# Altium PCB master.PcbDoc (part 9 of 10)
Units mm, origin at the board's own origin, x right, y up, seen from the top; angles counter-clockwise.
Board outline 160 x 120 mm, 6 copper layers (Top Signal, Top GND, Inner PWR, Inner Signal, Bottom GND, Bottom Signal), stack 1.601 mm thick; 526 components, 435 nets, 2167 pads, 1617 vias.
Unrouted connection lines stored in the file: 3.
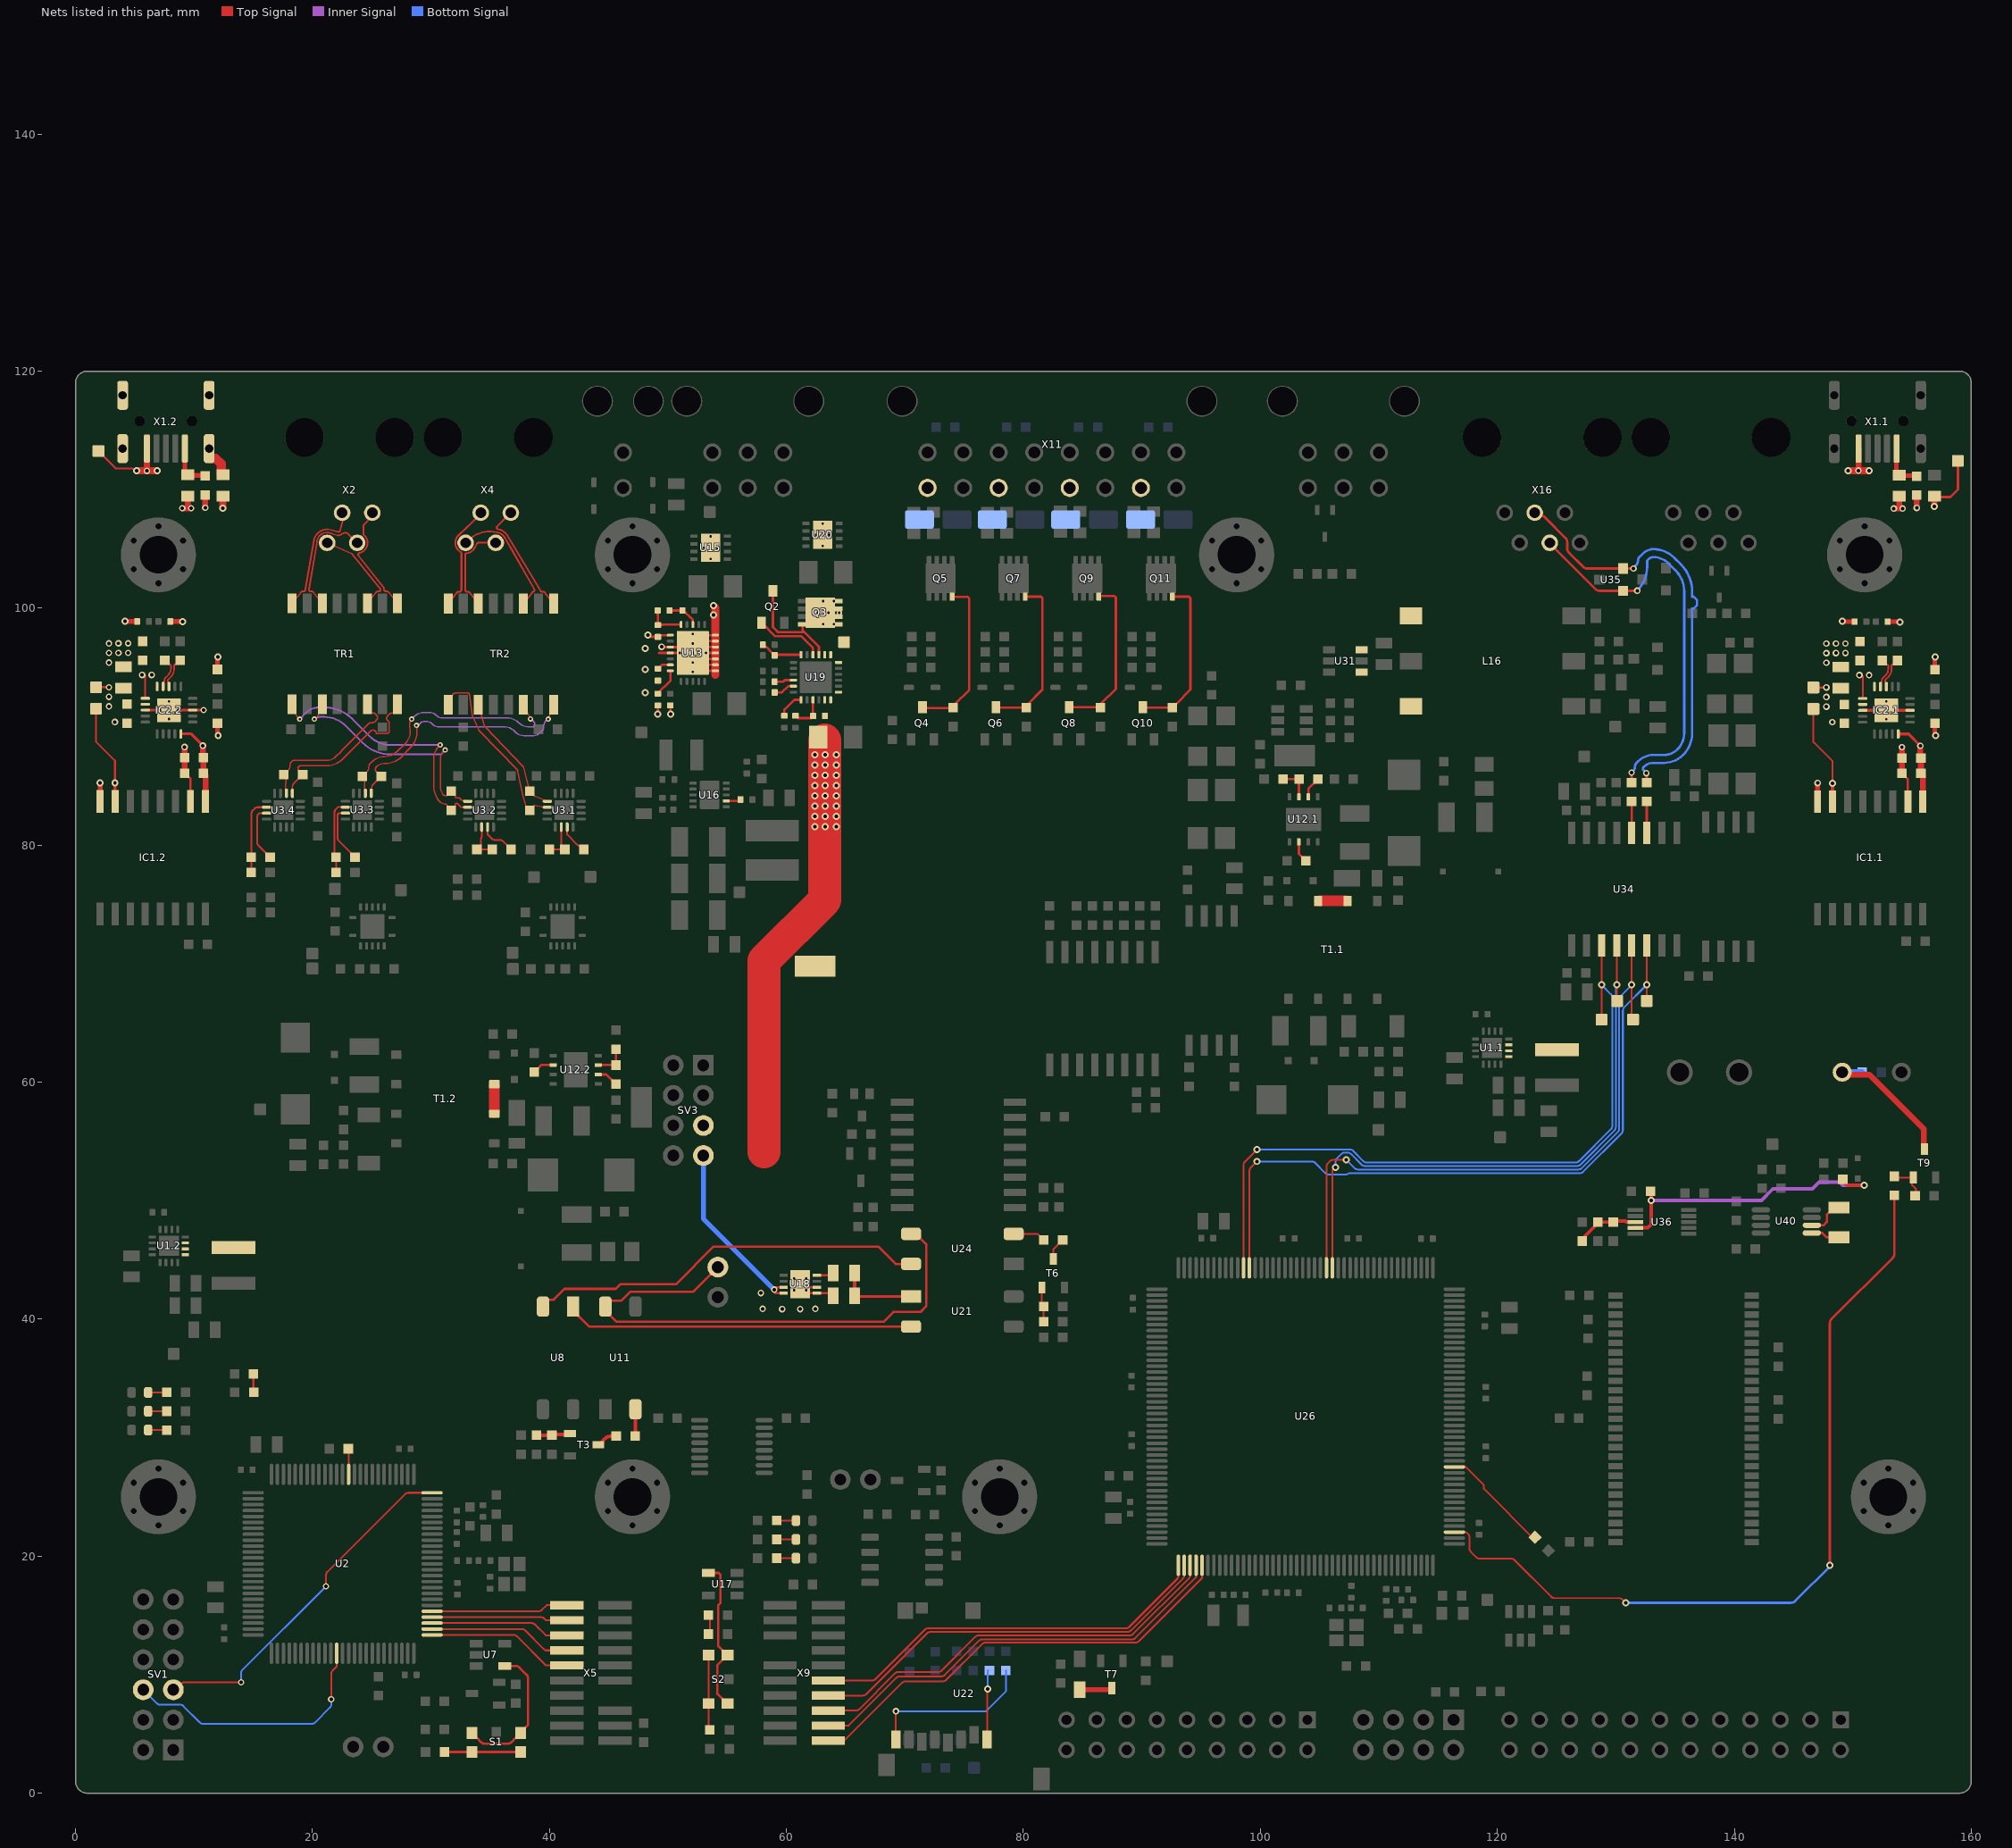
[diagram p13: the nets of this part, all layers, seen from the top]

## Via types
v1: diameter 0.6, hole 0.3, Top Signal to Bottom Signal, 1012 vias
v2: diameter 0.55, hole 0.3, Top Signal to Bottom Signal, 235 vias
v3: diameter 0.45, hole 0.2, Top Signal to Bottom Signal, 178 vias
v4: diameter 0.55, hole 0.3, Top Signal to Bottom Signal, tented both sides, 112 vias
v5: diameter 0.5, hole 0.2, Top Signal to Bottom Signal, 50 vias
v6: diameter 0.45, hole 0.2, Top Signal to Bottom Signal, tented top, 15 vias
v7: diameter 0.5, hole 0.3, Top Signal to Bottom Signal, tented both sides, 12 vias
v8: diameter 0.6, hole 0.3, Top Signal to Bottom Signal, tented both sides, 2 vias
v9: diameter 0.5, hole 0.3, Top Signal to Bottom Signal, 1 vias

## Nets (pads, with @x,y where several pads share a name; then routed paths per layer and width w, separated by ;. In a path a pad name is that pad's centre, name@x,y a point inside that pad or via, vN(x,y) a via of type N, cw(c..) or ccw(c..) an arc to the next point about the centre after c; other vN are vias at no path point) (continued)
NetL2.2_2: L2.2.2 X1.2.6 X1.2.7 X1.2.8 X1.2.9 | length 3
  Top Signal w0.8: X1.2.6@11.275,113.464 11.275,112.689 11.325,112.639 11.818,112.639 12.286,112.17 12.286,111.3 12.336,111.25 L2.2.2@12.436,111.25
NetL12_2: L12.2 T7.3 | length 2.8
  Top Signal w0.4: L12.2@84.74,8.745 87.368,8.745 87.468,8.845 T7.3@87.468,8.862
NetL15_1_1: L15_1.1 U1.1.1 U1.1.2 U1.1.3
NetL15_2_1: L15_2.1 U1.2.1 U1.2.2 U1.2.3
NetL16_1: L16.1 U31.3
NetL16_3: L16.3 U31.1
NetLED1_1: LED1.1 R2.2 | length 1.5
  Top Signal w0.152: LED1.1@6.176,30.643 R2.2@7.64,30.643
NetLED2_1: LED2.1 R3.2 | length 1.5
  Top Signal w0.152: LED2.1@6.176,32.23 R3.2@7.64,32.23
NetLED3_1: LED3.1 R4.1 | length 1.5
  Top Signal w0.152: LED3.1@6.176,33.818 R4.1@7.64,33.818
NetLED4_1: LED4.1 R60.2 | length 1.5
  Top Signal w0.152: R60.2@59.222,19.829 LED4.1@60.75,19.829
NetLED5_1: LED5.1 R61.2 | length 1.5
  Top Signal w0.152: R61.2@59.222,21.417 LED5.1@60.75,21.417
NetLED6_1: LED6.1 R62.2 | length 1.5
  Top Signal w0.152: R62.2@59.222,23.004 LED6.1@60.75,23.004
NetLS1_2: LS1.2 R137.1 T9.D | length 12.3
  Top Signal w0.5: LS1.2@149.105,60.837 149.315,60.626 151.407,60.626 156.005,56.028 156.005,54.605 156.055,54.555 T9.D@156.055,54.355
  Bottom Signal w0.5: LS1.2@149.105,60.837 R137.1@150.805,60.837
NetQ2_1: Q2.1 U19.4 | length 5.8
  Top Signal w0.2: Q2.1@57.907,98.766 59.051,97.622 61.262,97.622 62.237,96.647 U19.4@62.237,96.066
NetQ2_3: Q2.3 Q3.4 U19.3 | length 9
  Top Signal w0.2: Q2.3@58.857,101.466 58.857,98.392 59.267,97.982 61.469,97.982 ; Q3.4@61.367,98.639 61.367,98.109 61.482,97.995 62.737,96.739 U19.3@62.737,96.066
NetQ3_5: Q3.5 Q3.6 Q3.7 Q3.8 Q3.9 TPeRV1.1 U19.1 U19.2 U19.24
  other v3: 63.102,98.639 62.649,99.614 63.554,99.614 63.102,100.589
  other v6: 64.007,98.639 64.459,99.614 64.007,100.589
NetQ4_3: Q4.3 Q5.4 R79.2 | length 14
  Top Signal w0.2: Q4.3@71.405,91.612 71.443,91.574 73.905,91.574 74.205,91.874 75.43,93.099 75.43,100.825 75.313,100.942 Q5.4@73.905,100.942
NetQ6_3: Q6.3 Q7.4 R83.2 | length 14
  Top Signal w0.2: Q6.3@77.577,91.638 77.615,91.6 80.077,91.6 80.377,91.9 81.602,93.125 81.602,100.851 81.485,100.968 Q7.4@80.077,100.968
NetQ8_3: Q8.3 Q9.4 R93.2 | length 14
  Top Signal w0.2: Q8.3@83.772,91.686 83.809,91.649 86.272,91.649 86.572,91.949 87.797,93.174 87.797,100.899 87.68,101.017 Q9.4@86.272,101.017
NetQ10_3: Q10.3 Q11.4 R101.2 | length 14
  Top Signal w0.2: Q10.3@90.075,91.638 90.113,91.6 R101.2@92.575,91.6 92.875,91.9 94.1,93.125 94.1,100.851 93.983,100.968 Q11.4@92.575,100.968
NetR9_1: R9.1 R10.2 | length 1.6
  Top Signal w0.203: R9.1@15.017,35.382 15.017,33.907 15.036,33.839 ccw(c15.525,33.978) R10.2@15.043,33.818
NetR11.1_2: R11.1.2 R12.1.1 U3.1.14 | length 3.3
  Top Signal w0.152: R11.1.2@40,79.643 R12.1.1@41.3,79.643 40.993,79.95 U3.1.14@40.993,81.525
NetR11.2_2: R11.2.2 R12.2.1 U3.2.14 | length 3.3
  Top Signal w0.152: U3.2.14@34.275,81.525 34.275,80.757 cw(c33.895,80.756) 34.262,80.656 34.212,80.476 ccw(c34.579,80.376) 34.209,80.463 34.199,80.42 34.199,79.967 R11.2.2@33.875,79.643 R12.2.1@35.163,79.643
NetR11.3_2: R11.3.2 R12.3.1 U3.3.14 | length 6.3
  Top Signal w0.152: R11.3.2@21.985,77.7 R12.3.1@21.985,78.991 21.977,78.999 cw(c22.246,79.267) 21.925,79.064 21.866,79.157 21.866,82.774 cw(c22.246,82.774) 21.978,83.043 22.143,83.208 U3.3.14@22.785,83.208
NetR11.4_2: R11.4.2 R12.4.1 U3.4.14 | length 6.5
  Top Signal w0.152: R11.4.2@14.825,77.7 R11.4.2@14.825,77.7 ccw(c14.469,77.836) 14.85,77.837 14.85,78.991 14.85,82.667 cw(c15.231,82.667) 14.962,82.937 15.114,83.089 cw(c15.383,82.819) 15.364,83.2 15.373,83.2 U3.4.14@16.125,83.2
NetR12.1_2: R12.1.2 U3.1.15 | length 2.7
  Top Signal w0.152: U3.1.15@41.493,81.525 41.493,80.897 42.386,80.004 ccw(c42.654,80.273) 42.654,79.893 R12.1.2@43.15,79.893
NetR12.2_2: R12.2.2 U3.2.15 | length 3.1
  Top Signal w0.152: U3.2.15@34.775,81.525 34.775,80.897 35.129,80.543 ccw(c35.397,80.812) 35.397,80.432 35.816,80.432 cw(c35.816,80.052) 36.085,80.321 R12.2.2@36.763,79.643
NetR12.3_2: R12.3.2 U3.3.15 | length 4.9
  Top Signal w0.152: U3.3.15@22.785,82.708 22.217,82.708 22.128,82.619 22.128,80.609 ccw(c22.508,80.609) 22.239,80.34 23.261,79.319 23.261,79.315 23.458,79.118 23.47,79.108 ccw(c23.715,79.398) R12.3.2@23.585,79.041
NetR12.4_2: R12.4.2 U3.4.15 | length 4.8
  Top Signal w0.152: U3.4.15@16.125,82.7 15.512,82.7 15.381,82.569 15.34,82.424 ccw(c15.705,82.32) 15.325,82.32 15.325,80.249 ccw(c15.705,80.249) 15.436,79.98 R12.4.2@16.425,78.991
NetR17_2: R17.2 U2.37 | length 1.8
  Top Signal w0.152: U2.37@23.043,26.904 R17.2@23.043,28.72
NetR26_2: R26.2 S1.1 S1.2 | length 6.4
  Top Signal w0.203: R26.2@31.143,3.473 S1.2@37.559,3.473
NetR39.1_1: R39.1.1 U12.1.2 | length 1.8
  Top Signal w0.2: U12.1.2@103.25,80.272 103.25,79.265 R39.1.1@103.843,78.672
NetR39.2_1: R39.2.1 U12.2.2 | length 1.8
  Top Signal w0.2: R39.2.1@38.714,60.851 39.307,61.444 U12.2.2@40.314,61.444
NetR40_1: R40.1 R41.1 T3.G | length 2.9
  Top Signal w0.3: R40.1@38.913,30.2 R41.1@40.206,30.2 ; R41.1@40.207,30.201 cw(c40.533,29.525) 40.424,30.267 40.478,30.275 41.65,30.275 T3.G@41.725,30.35
NetR44.1_1: R44.1.1 R45.1.2 U12.1.7 | length 2.9
  Top Signal w0.2: R45.1.2@101.909,85.569 R44.1.1@103.259,85.569 103.25,85.56 U12.1.7@103.25,84.072
NetR44.1_2: R44.1.2 U12.1.6 | length 1.8
  Top Signal w0.2: U12.1.6@104.05,84.072 104.05,84.76 R44.1.2@104.859,85.569
NetR44.2_1: R44.2.1 R45.2.2 U12.2.7 | length 2.9
  Top Signal w0.2: U12.2.7@44.114,61.444 45.603,61.444 R44.2.1@45.612,61.435 R45.2.2@45.612,62.785
NetR44.2_2: R44.2.2 U12.2.6 | length 1.8
  Top Signal w0.2: U12.2.6@44.114,60.644 44.803,60.644 R44.2.2@45.612,59.835
NetR46_1: R46.1 T3.D | length 1.8
  Top Signal w0.3: T3.D@44.125,29.4 ccw(c43.799,30.076) 44.348,29.564 44.658,29.896 cw(c45.207,29.385) 45.207,30.135 R46.1@45.63,30.135
NetR46_2: R46.2 U11.2 | length 2.3
  Top Signal w0.3: R46.2@47.23,30.135 47.231,30.136 ccw(c46.494,30.279) 47.244,30.281 47.244,32.249 cw(c47.994,32.249) 47.253,32.366 U11.2@47.258,32.393
NetR47_2: R47.2 U13.19 | length 2.5
  Top Signal w0.2: R47.2@49.151,92.781 R47.2@49.151,92.812 ; R47.2@49.151,92.916 R47.2@49.151,92.812 ; U13.19@50.202,94.717 50.202,93.864 R47.2@49.151,92.812
NetR48_2: R48.2 R50.1 U13.12 | length 3.2
  Top Signal w0.2: R50.1@49.134,99.799 49.134,99.423 49.151,99.405 R48.2@49.151,98.572 49.527,98.572 49.572,98.617 U13.12@51.102,98.617
NetR49_2: R49.2 U13.18 | length 1.2
  Top Signal w0.2: R49.2@49.151,94.887 49.176,94.887 49.326,95.037 49.506,95.217 U13.18@50.202,95.217
NetR50_2: R50.2 R53.1 U13.10 | length 2.7
  Top Signal w0.2: R50.2@50.134,99.8 50.485,99.8 R53.1@51.228,99.799 51.228,99.774 51.378,99.624 51.483,99.624 51.832,99.276 51.845,99.276 52.102,99.018 U13.10@52.102,98.617
NetR54_2: R54.2 R55.1 | length 1.6
  Top Signal w0.152: R54.2@53.528,13.427 53.528,13.978 R55.1@53.527,15.014
NetR56_2: R56.2 S2.1 S2.2 | length 6.4
  Top Signal w0.152: S2.1@53.427,11.667 S2.2@53.427,7.567 53.427,5.377 R56.2@53.529,5.275
NetR59_1: R59.1 U16.2 | length 1.2
  Top Signal w0.2: U16.2@54.921,83.736 56.077,83.736 R59.1@56.119,83.779
NetR63_2: R63.2 U19.10 | length 1.6
  Top Signal w0.2: R63.2@59.003,93.796 59.73,93.796 59.85,93.916 U19.10@60.587,93.916
NetR64_2: R64.2 U19.11 | length 1.8
  Top Signal w0.2: R64.2@59.007,92.889 59.627,92.889 60.149,93.411 60.582,93.411 U19.11@60.587,93.416
NetR65_2: R65.2 R66.1 U19.6 | length 3.7
  Top Signal w0.2: R66.1@58.007,96.909 58.007,96.884 58.157,96.734 58.285,96.734 58.832,96.187 58.857,96.187 59.007,96.037 R65.2@59.007,96.012 59.061,96.066 U19.6@61.237,96.066
NetR67_2: R67.2 U19.13 | length 2.3
  Top Signal w0.2: R67.2@59.829,90.918 59.829,91.43 60.665,92.266 U19.13@61.237,92.266
NetR68_2: R68.2 R69.1 U19.15 | length 3
  Top Signal w0.2: R68.2@60.752,90.918 60.777,90.918 60.979,90.716 62.069,90.716 62.079,90.726 62.104,90.726 62.254,90.876 R69.1@62.254,90.901 62.237,90.918 U19.15@62.237,92.266
NetR71_1: R71.1 R72.1 U21.1 | length 6.7
  Top Signal w0.2: R71.1@65.742,41.97 65.797,41.915 U21.1@70.514,41.915
  Top Signal w0.3: R71.1@65.742,41.97 R72.1@65.742,43.891
NetR71_2: R71.2 U18.1 U18.2 U18.9 | length 5.4
  Top Signal w0.2: U18.2@62.561,42.698 61.411,42.698 U18.9@61.161,42.948 61.161,42.923 61.886,42.198 U18.1@62.561,42.198 63.714,42.198 R71.2@63.942,41.97 63.942,42.207 R71.2@63.592,42.557
  other v2: 59.633,40.85 61.16,40.85 57.995,40.875 62.441,40.875 57.834,42.207
  other v5: 60.661,42.448 61.661,42.448 60.661,43.448 61.661,43.448
NetR72_2: R72.2 U18.4 | length 1.5
  Top Signal w0.2: U18.4@62.561,43.698 63.749,43.698 R72.2@63.942,43.891
NetR85_1: R85.1 R86.1 T6.G | length 3
  Top Signal w0.152: T6.G@81.563,42.675 81.563,41.241 81.656,41.134 ccw(c81.943,41.382) 81.675,41.114 R86.1@81.713,41.075 R85.1@81.713,39.775
NetR87_1: R87.1 T6.D | length 1.9
  Top Signal w0.152: T6.D@82.513,45.075 82.513,45.875 R87.1@83.313,46.675
NetR87_2: R87.2 U24.2 | length 2.8
  Top Signal w0.152: U24.2@79.175,47.2 81.188,47.2 R87.2@81.713,46.675
NetR115_2: R115.2 U26.58 | length 9.8
  Top Signal w0.15: U26.58@116.372,27.534 117.324,27.534 118.86,25.998 118.86,25.688 123.252,21.297 R115.2@123.252,21.17
NetR132_1: R132.1 R134.2 T9.G | length 3.3
  Top Signal w0.15: R132.1@153.51,51.95 T9.G@155.101,51.95 ; T9.G@155.105,51.955 T9.G@155.101,51.95 ; R134.2@155.355,50.411 155.32,50.447 155.32,50.999 155.001,51.318 155.001,51.85 T9.G@155.101,51.95
NetR138_1: R138.1 U22.8 | length 14.1
  Top Signal w0.152: U22.8@69.231,4.531 69.231,6.913 v1(69.241,6.923)
  Bottom Signal w0.152: v1(69.241,6.923) 76.852,6.923 78.522,8.593 R138.1@78.522,10.364
NetR139_1: R139.1 U22.1 | length 5.9
  Top Signal w0.152: U22.1@76.931,4.531 76.931,8.754 v1(76.969,8.792)
  Bottom Signal w0.152: v1(76.969,8.792) 76.969,10.306 R139.1@77.028,10.364
NetS1_3: S1.3 S1.4 U7.4 | length 12.2
  Top Signal w0.2: S1.4@33.459,5.073 ccw(c33.918,5.271) 33.543,4.94 33.554,4.929 33.809,4.673 33.859,4.673 34.252,4.281 34.3,4.251 ccw(c34.565,4.675) 34.565,4.175 36.454,4.175 ccw(c36.454,4.675) 36.718,4.251 36.767,4.281 37.159,4.673 37.209,4.673 37.466,4.93 37.477,4.943 ccw(c37.1,5.271) S1.3@37.559,5.073 ; U7.4@36.225,10.725 37.272,10.725 37.394,10.648 cw(c37.127,10.225) 37.482,10.577 cw(c37.13,10.223) 37.484,10.575 38.051,10.008 cw(c37.699,9.653) 38.199,9.653 38.199,5.763 37.653,5.217 37.641,5.204 ccw(c38.018,4.875) 37.614,5.17 37.559,5.094 S1.3@37.559,5.073
NetS2_3: S2.3 S2.4 U17.4 | length 13
  Top Signal w0.203: U17.4@53.428,18.589 54.271,18.589 54.425,18.435 54.425,16.036 54.25,15.861 54.25,12.394 54.978,11.667 54.629,11.318 54.629,11.268 54.175,10.814 54.175,8.369 54.978,7.567 S2.3@55.028,7.567
NetT1.1_2: T1.1.2 T1.1.3 | length 2.2
  Top Signal w0.9: T1.1.3@104.99,75.302 T1.1.2@107.225,75.302
NetT1.2_2: T1.2.2 T1.2.3 | length 2.2
  Top Signal w0.9: T1.2.2@35.344,57.45 T1.2.3@35.344,59.694
NetU8_1: U8.1 U21.2 | length 29.4
  Top Signal w0.2: U8.1@41.993,41.055 41.993,40.725 43.344,39.375 U21.2@70.514,39.375
NetU8_2: U8.2 U24.4 | length 33.9
  Top Signal w0.2: U8.2@39.453,41.055 39.453,41.255 39.837,41.638 40.355,41.638 41.274,42.557 45.591,42.557 45.982,42.948 50.67,42.948 53.847,46.125 67.742,46.125 69.207,44.66 U24.4@70.514,44.66
NetU11_4: U11.4 U24.3 X8.2 | length 46.1
  Top Signal w0.2: X8.2@54.212,44.391 52.144,42.323 46.821,42.323 46.044,41.546 45.127,41.546 44.719,41.138 U11.4@44.719,41.055 44.719,40.725 45.669,39.775 68.191,39.775 69.029,40.613 71.313,40.613 71.8,41.1 71.8,46.322 70.922,47.2 U24.3@70.514,47.2
NetU40_1: U40.1 X15.2 | length 2.4
  Top Signal w0.2: U40.1@146.54,47.274 147.437,47.274 147.803,46.907 X15.2@148.83,46.907
NetU40_2: U40.2 X15.1 | length 3.3
  Top Signal w0.2: U40.2@146.54,47.924 147.523,47.924 147.805,48.206 147.805,48.806 148.406,49.407 X15.1@148.83,49.407
OUT_0_EXT_N: TR2.6 X4.2 | length 7.7
  Top Signal w0.152: 33.703,105.103 cw(c32.928,105.512) 33.015,104.64 ccw(c33.03,104.488) 32.877,104.488 32.877,101.546 ccw(c33.03,101.546) 33.03,101.394 33.105,101.394 cw(c33.105,101.217) 33.243,101.326 TR2.6@33.995,100.382 ; 33.703,105.103 33.886,105.451 33.947,105.512 X4.2@35.468,105.512
OUT_0_EXT_P: TR2.8 X4.3 | length 9.3
  Top Signal w0.152: TR2.8@31.455,100.382 32.207,101.327 cw(c32.345,101.217) 32.345,101.394 ; 32.345,101.394 32.42,101.394 ccw(c32.42,101.546) 32.573,101.546 32.573,104.617 ccw(c32.42,104.617) 32.495,104.75 cw(c32.928,105.512) 32.328,106.151 34.165,107.875 ccw(c34.06,107.986) 34.213,107.986 34.213,108.016 ccw(c34.161,108.016) X4.3@34.198,108.052
OUT_1_EXT_N: TR2.1 X4.1 | length 9.9
  Top Signal w0.152: X4.1@36.738,108.052 35.598,106.912 35.593,106.907 ccw(c35.7,106.799) 35.565,106.73 35.618,106.671 35.784,106.624 cw(c35.468,105.512) 35.786,106.623 35.853,106.604 35.857,106.6 cw(c35.468,105.512) 35.875,106.593 cw(c35.468,105.512) 36.459,106.106 39.248,101.467 ccw(c39.379,101.546) 39.379,101.394 39.455,101.394 cw(c39.455,101.217) 39.593,101.326 TR2.1@40.345,100.382
OUT_1_EXT_P: TR2.3 X4.4 | length 10.3
  Top Signal w0.152: X4.4@32.928,105.512 33.159,105.743 cw(c34.955,103.88) 35.571,106.394 35.574,106.393 35.707,106.355 cw(c35.468,105.512) 36.229,105.946 36.805,104.939 38.715,101.602 cw(c38.583,101.526) 38.635,101.383 ccw(c38.695,101.217) 38.557,101.327 TR2.3@37.805,100.382
OUT_1_N: R15.1.1 TR2.11 U3.1.9 | length 10.5
  Top Signal w0.102: TR2.11@33.995,91.852 34.508,90.085 ccw(c34.753,90.156) 34.568,89.98 37.788,86.614 cw(c37.163,86.25) 37.805,86.584 38.29,84.629 ccw(c38.538,84.691) R15.1.1@38.325,84.55 R15.1.1@38.325,84.55 38.328,84.546 cw(c38.142,84.372) 38.331,84.543 38.643,84.199 ccw(c38.832,84.371) 38.741,84.133 39.676,83.773 U3.1.9@39.818,83.7
OUT_1_P: R15.1.2 TR2.9 U3.1.10 | length 15.6
  Top Signal w0.102: TR2.9@31.455,91.852 31.433,92.093 cw(c31.687,92.116) 31.491,92.279 31.924,92.801 31.992,92.825 cw(c32.075,92.583) 32.075,92.838 33.105,92.838 cw(c33.105,92.687) 33.255,92.706 33.465,90.999 ccw(c33.615,91.017) 33.477,90.955 34.002,89.799 ccw(c34.616,90.077) 34.13,89.609 37.271,86.356 cw(c37.163,86.25) 37.314,86.25 37.314,86.185 37.778,84.117 ccw(c37.925,84.15) 37.78,84.109 37.992,83.359 ccw(c38.237,83.429) 38.04,83.267 38.233,83.033 ccw(c38.429,83.197) 38.263,83.003 R15.1.2@38.325,82.95 38.388,83.013 ccw(c38.208,83.194) 38.399,83.025 38.667,83.327 cw(c38.743,83.259) 38.765,83.359 39.538,83.2 U3.1.10@39.818,83.2
OUT_2_N: R15.2.1 TR1.11 U3.2.9 | length 20.4
  Top Signal w0.102: v3(20.15,90.63) 20.265,90.665 ccw(c20.236,90.763) 20.326,90.714 20.85,91.684 ccw(c20.76,91.733) 20.858,91.762 TR1.11@20.823,91.877 ; v3@31.175,88.048 31.079,87.952 ccw(c31.752,87.279) 30.8,87.279 30.8,84.976 ccw(c32.087,84.976) 30.998,84.29 ccw(c31.214,84.425) 31.395,84.245 31.422,84.272 R15.2.1@31.7,84.55 31.969,84.281 cw(c31.776,84.088) 32.049,84.088 32.049,84.079 ccw(c32.151,84.079) 32.151,83.977 32.381,83.977 32.483,83.875 ccw(c32.73,84.122) 32.73,83.773 32.958,83.773 ccw(c33.139,83.952) U3.2.9@33.1,83.7
  Inner Signal w0.152: v3(20.15,90.63) ccw(c20.15,90.759) 20.241,90.668 20.286,90.713 cw(c20.533,90.465) 20.533,90.815 21.003,90.815 cw(c21.003,88.275) 22.799,90.071 24.241,88.629 24.245,88.625 ccw(c26.604,90.993) 26.305,87.665 29.821,87.665 cw(c29.821,87.189) 29.828,87.665 30.694,87.654 30.768,87.654 ccw(c30.768,88.456) 30.895,87.664 30.894,87.669 cw(c31.039,87.624) 30.902,87.689 30.913,87.713 31.115,87.914 31.115,87.916 v3@31.079,87.952
  other v3: 31.195,88.028
OUT_2_P: R15.2.2 TR1.9 U3.2.10 | length 22.9
  Top Signal w0.102: TR1.9@18.259,91.803 ccw(c18.357,91.773) 18.266,91.727 18.792,90.704 ccw(c18.883,90.751) 18.852,90.654 v3(18.925,90.63) ; TR1.9@18.259,91.804 TR1.9@18.283,91.877 ; v3(30.77,88.453) 30.672,88.355 ccw(c31.745,87.282) 30.227,87.282 30.227,84.974 ccw(c32.082,84.974) 30.771,83.663 30.773,83.66 ccw(c31.247,84.133) 31.247,83.464 31.249,83.464 cw(c31.249,83.362) 31.321,83.434 cw(c31.249,83.362) 31.351,83.362 31.351,83.351 ccw(c31.478,83.351) 31.388,83.262 R15.2.2@31.7,82.95 31.969,83.219 ccw(c31.776,83.412) 32.049,83.412 32.049,83.463 32.079,83.493 cw(c32.151,83.421) 32.151,83.523 cw(c32.151,83.421) 32.223,83.493 32.482,83.234 ccw(c32.564,83.316) 32.564,83.2 U3.2.10@33.1,83.2
  Inner Signal w0.152: v3(18.925,90.63) 19.472,91.178 cw(c20.533,90.117) 20.533,91.617 21.005,91.617 cw(c21.005,88.279) 23.365,90.639 24.808,89.197 ccw(c26.604,90.993) 26.604,88.453 v3@30.768,88.456
OUT_3_N: R15.3.1 TR2.16 U3.3.9 | length 21.9
  Top Signal w0.102: U3.3.9@24.96,84.383 24.96,84.641 cw(c25.762,84.641) 25.195,85.209 25.419,85.432 cw(c25.445,85.406) 25.445,85.443 ccw(c25.445,85.481) 25.472,85.454 R15.3.1@25.81,85.792 25.461,86.141 cw(c25.461,86.178) 25.435,86.152 25.371,86.216 cw(c25.551,86.396) 25.371,86.577 cw(c26.133,85.814) 26.133,86.892 ccw(c26.133,88.858) 27.523,87.468 28.257,88.202 ccw(c26.932,89.528) 28.806,89.525 28.806,89.976 ccw(c28.551,89.977) 28.777,90.095 v3(28.775,90.099) ; v3(39.891,90.637) TR2.16@40.345,91.852
  Inner Signal w0.102: v3(28.775,90.099) cw(c28.929,89.895) 28.929,90.15 28.949,90.15 29.091,90.292 cw(c29.433,89.95) 29.433,90.434 29.59,90.434 cw(c29.59,89.679) 30.124,90.213 ccw(c30.658,90.746) 30.658,89.992 36.119,89.992 cw(c36.119,88.666) 37.056,89.603 ccw(c37.994,90.541) 37.994,89.215 38.517,89.215 ccw(c38.517,90.215) 39.224,89.507 39.342,89.625 ccw(c38.908,90.059) 39.522,90.06 cw(c40.136,90.059) 39.703,90.495 39.78,90.572 cw(c39.96,90.391) v3(39.891,90.637)
OUT_3_P: R15.3.2 TR2.14 U3.3.10 | length 21.5
  Top Signal w0.102: U3.3.10@24.46,84.383 ccw(c24.208,84.344) 24.387,84.525 24.387,85.364 ccw(c23.781,85.364) R15.3.2@24.21,85.792 24.559,86.141 ccw(c24.559,86.178) 24.585,86.152 ccw(c24.25,86.487) 24.723,86.487 cw(c25.333,86.487) 24.902,86.918 25.004,87.019 cw(c26.08,85.943) 26.08,87.465 ccw(c26.08,88.987) 27.156,87.911 27.851,88.606 ccw(c26.928,89.529) 28.233,89.526 28.233,89.748 ccw(c27.978,89.749) 28.227,89.805 ccw(c27.978,89.751) 28.227,89.808 28.209,89.887 cw(c28.458,89.943) 28.203,89.943 28.203,90.253 cw(c28.492,90.253) 28.287,90.458 28.298,90.468 ccw(c28.117,90.649) v3(28.372,90.637) ; TR2.14@37.805,91.852 v3(38.4,90.651)
  Inner Signal w0.102: v3(28.372,90.637) 28.581,90.846 cw(c29.402,90.025) 29.402,91.186 29.904,91.186 cw(c29.902,90.431) 30.436,90.965 ccw(c30.969,91.498) 30.969,90.744 36.43,90.744 cw(c36.43,89.418) 37.368,90.355 ccw(c38.305,91.293) 38.305,89.967 38.515,89.967 ccw(c38.515,90.222) 38.694,90.403 38.512,90.586 ccw(c38.331,90.405) v3(38.4,90.651)